# KiCad board Eclipse60.kicad_pcb (continued)
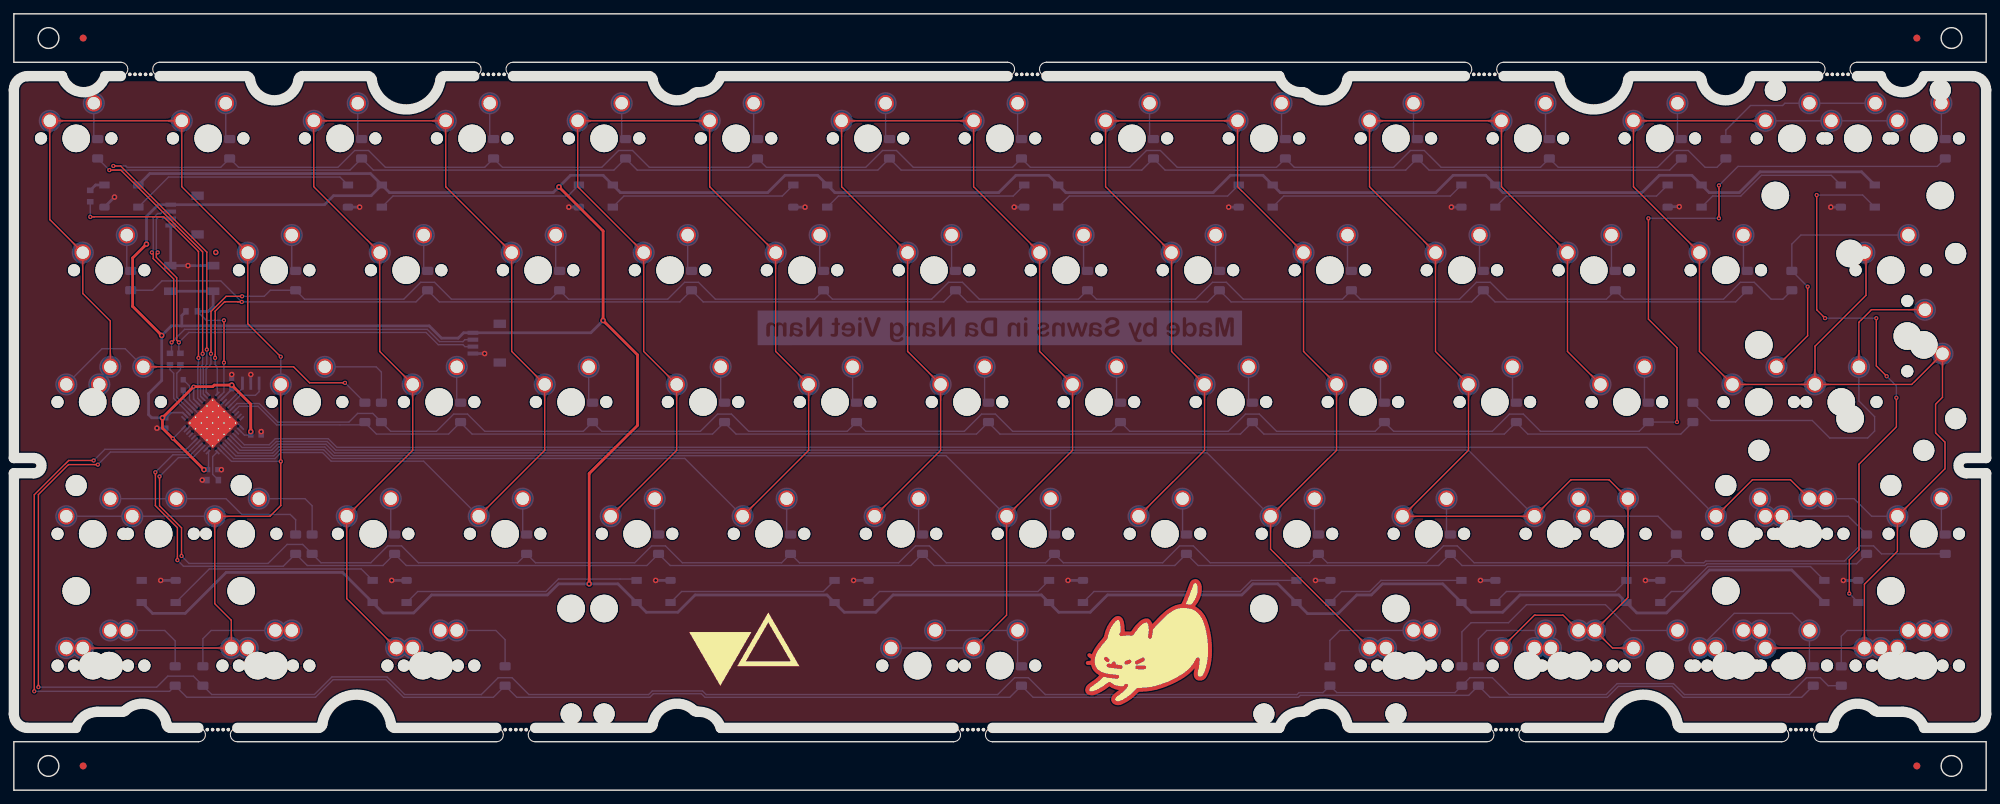
[diagram p0: board, top side]
## Copper pours and planes (outline as drawn; the poured copper is in the pictures) (continued)
GND on Bottom: 175.82,84.07 176.59,83.82 177.06,84.27 176.59,84.72 175.82,84.47
GND on Bottom: 207.97,84.07 208.74,83.82 209.21,84.27 208.74,84.72 207.97,84.47
GND on Bottom: 262.74,84.07 263.51,83.82 263.98,84.27 263.51,84.72 262.74,84.47
GND on Bottom: 49.21,84.47 48.44,84.72 47.97,84.27 48.44,83.82 49.21,84.07
GND on Bottom: 22.37,30.12 23.14,29.87 23.61,30.32 23.14,30.77 22.37,30.52
GND on Bottom: 93.8,30.12 94.58,29.87 95.04,30.32 94.58,30.77 93.8,30.52
GND on Bottom: 122.38,30.12 123.15,29.87 123.62,30.32 123.15,30.77 122.38,30.52
GND on Bottom: 153.34,30.12 154.11,29.87 154.58,30.32 154.11,30.77 153.34,30.52
GND on Bottom: 189.05,30.12 189.83,29.87 190.29,30.32 189.83,30.77 189.05,30.52
GND on Bottom: 212.87,30.12 213.64,29.87 214.11,30.32 213.64,30.77 212.87,30.52
GND on Bottom: 236.68,30.12 237.45,29.87 237.92,30.32 237.45,30.77 236.68,30.52
GND on Bottom: 265.25,30.12 266.03,29.87 266.49,30.32 266.03,30.77 265.25,30.52
GND on Bottom: 239.7,84.53 238.88,84.74 238.47,84.23 239,83.85 239.7,84.13
C0 on Top: 28.99,20.44 29.1,20.44 29.19,20.43 29.28,20.42 29.36,20.41 29.44,20.4 29.51,20.38 29.58,20.36 29.64,20.33 29.7,20.31 29.76,20.28 29.81,20.25 29.86,20.21 29.91,20.18 29.96,20.14 30.39,19.76 30.44,19.72 30.5,19.67 30.56,19.63 30.63,19.59 30.7,19.54 30.78,19.5 30.86,19.46 31.98,20.54 30.86,21.62 30.78,21.58 30.7,21.54 30.63,21.49 30.56,21.45 30.5,21.41 30.44,21.36 30.39,21.32 29.96,20.94 29.91,20.9 29.86,20.87 29.81,20.83 29.76,20.8 29.7,20.77 29.64,20.75 29.58,20.72 29.51,20.7 29.44,20.68 29.36,20.67 29.28,20.66 29.19,20.65 29.1,20.64 28.99,20.64
C0 on Top: 12.34,20.64 12.24,20.64 12.15,20.65 12.06,20.66 11.97,20.67 11.9,20.68 11.82,20.7 11.76,20.72 11.69,20.75 11.63,20.77 11.58,20.8 11.52,20.83 11.47,20.87 11.42,20.9 11.38,20.94 10.95,21.32 10.89,21.36 10.83,21.41 10.77,21.45 10.7,21.49 10.63,21.54 10.56,21.58 10.48,21.62 9.35,20.54 10.48,19.46 10.56,19.5 10.63,19.54 10.7,19.59 10.77,19.63 10.83,19.67 10.89,19.72 10.95,19.76 11.38,20.14 11.42,20.18 11.47,20.21 11.52,20.25 11.58,20.28 11.63,20.31 11.69,20.33 11.76,20.36 11.82,20.38 11.9,20.4 11.97,20.41 12.06,20.42 12.15,20.43 12.24,20.44 12.34,20.44
C0 on Top: 13.82,63.57 13.82,63.47 13.81,63.37 13.8,63.28 13.79,63.2 13.78,63.12 13.76,63.05 13.74,62.98 13.71,62.92 13.69,62.86 13.66,62.81 13.63,62.75 13.59,62.7 13.56,62.65 13.52,62.6 13.14,62.18 13.1,62.12 13.06,62.06 13.01,62 12.97,61.93 12.93,61.86 12.88,61.78 12.84,61.7 13.92,60.58 15,61.7 14.96,61.78 14.92,61.86 14.87,61.93 14.83,62 14.79,62.06 14.74,62.12 14.7,62.18 14.32,62.6 14.28,62.65 14.25,62.7 14.22,62.75 14.18,62.81 14.16,62.86 14.13,62.92 14.11,62.98 14.08,63.05 14.07,63.12 14.05,63.2 14.04,63.28 14.03,63.37 14.02,63.47 14.02,63.57
C0 on Top: 10.05,75.3 10.05,75.4 10.06,75.5 10.07,75.59 10.08,75.67 10.1,75.75 10.12,75.82 10.14,75.89 10.16,75.95 10.19,76.01 10.22,76.06 10.25,76.12 10.28,76.17 10.31,76.22 10.35,76.27 10.73,76.69 10.77,76.75 10.82,76.81 10.86,76.87 10.91,76.94 10.95,77.01 10.99,77.09 11.03,77.17 9.95,78.29 8.87,77.17 8.91,77.09 8.96,77.01 9,76.94 9.04,76.87 9.09,76.81 9.13,76.75 9.18,76.69 9.55,76.27 9.59,76.22 9.63,76.17 9.66,76.12 9.69,76.06 9.72,76.01 9.74,75.95 9.77,75.89 9.79,75.82 9.81,75.75 9.82,75.67 9.84,75.59 9.85,75.5 9.85,75.4 9.85,75.3
C0 on Top: 38.63,56.25 38.63,56.35 38.63,56.45 38.64,56.54 38.66,56.62 38.67,56.7 38.69,56.77 38.71,56.84 38.74,56.9 38.76,56.96 38.79,57.01 38.82,57.07 38.85,57.12 38.89,57.17 38.93,57.22 39.3,57.64 39.35,57.7 39.39,57.76 39.44,57.82 39.48,57.89 39.52,57.96 39.57,58.04 39.61,58.12 38.53,59.24 37.45,58.12 37.49,58.04 37.53,57.96 37.57,57.89 37.62,57.82 37.66,57.76 37.71,57.7 37.75,57.64 38.13,57.22 38.17,57.17 38.2,57.12 38.23,57.07 38.26,57.01 38.29,56.96 38.32,56.9 38.34,56.84 38.36,56.77 38.38,56.7 38.4,56.62 38.41,56.54 38.42,56.45 38.43,56.35 38.43,56.25
C0 on Top: 31.39,39.69 31.29,39.69 31.2,39.7 31.11,39.71 31.02,39.72 30.95,39.73 30.87,39.75 30.81,39.77 30.74,39.8 30.68,39.82 30.63,39.85 30.57,39.88 30.52,39.92 30.47,39.95 30.43,39.99 30,40.37 29.94,40.41 29.88,40.46 29.82,40.5 29.75,40.54 29.68,40.59 29.61,40.63 29.53,40.67 28.4,39.59 29.53,38.51 29.61,38.55 29.68,38.59 29.75,38.64 29.82,38.68 29.88,38.72 29.94,38.77 30,38.81 30.43,39.19 30.47,39.23 30.52,39.26 30.57,39.3 30.63,39.33 30.68,39.36 30.74,39.38 30.81,39.41 30.87,39.43 30.95,39.45 31.02,39.46 31.11,39.47 31.2,39.48 31.29,39.49 31.39,39.49
C0 on Top: 24.34,94.35 24.34,94.45 24.35,94.55 24.36,94.64 24.37,94.72 24.38,94.8 24.4,94.87 24.42,94.94 24.45,95 24.47,95.06 24.5,95.11 24.53,95.17 24.57,95.22 24.6,95.27 24.64,95.32 25.02,95.74 25.06,95.8 25.11,95.86 25.15,95.92 25.19,95.99 25.24,96.06 25.28,96.14 25.32,96.22 24.24,97.34 23.16,96.22 23.2,96.14 23.24,96.06 23.29,95.99 23.33,95.92 23.37,95.86 23.42,95.8 23.46,95.74 23.84,95.32 23.88,95.27 23.91,95.22 23.95,95.17 23.98,95.11 24.01,95.06 24.03,95 24.06,94.94 24.08,94.87 24.1,94.8 24.11,94.72 24.12,94.64 24.13,94.55 24.14,94.45 24.14,94.35
C0 on Top: 32,79.31 32.08,79.24 32.14,79.16 32.19,79.1 32.24,79.03 32.29,78.96 32.33,78.9 32.36,78.84 32.39,78.77 32.41,78.71 32.43,78.65 32.45,78.59 32.46,78.53 32.47,78.47 32.48,78.42 32.51,77.85 32.52,77.77 32.53,77.7 32.54,77.63 32.56,77.55 32.58,77.47 32.6,77.38 32.63,77.3 34.19,77.27 34.16,78.82 34.07,78.85 33.99,78.88 33.91,78.9 33.83,78.91 33.75,78.93 33.68,78.94 33.61,78.94 33.04,78.98 32.98,78.99 32.92,79 32.86,79.01 32.8,79.03 32.74,79.04 32.68,79.07 32.62,79.1 32.56,79.13 32.49,79.17 32.43,79.21 32.36,79.26 32.29,79.32 32.22,79.38 32.15,79.45
C0 on Top: 29.1,37.2 29.1,37.3 29.11,37.4 29.12,37.49 29.13,37.57 29.15,37.65 29.17,37.72 29.19,37.79 29.21,37.85 29.24,37.91 29.27,37.96 29.3,38.02 29.33,38.07 29.36,38.12 29.4,38.17 29.78,38.59 29.82,38.65 29.87,38.71 29.91,38.77 29.96,38.84 30,38.91 30.04,38.99 30.08,39.07 29,40.19 27.92,39.07 27.96,38.99 28.01,38.91 28.05,38.84 28.09,38.77 28.14,38.71 28.18,38.65 28.23,38.59 28.6,38.17 28.64,38.12 28.68,38.07 28.71,38.02 28.74,37.96 28.77,37.91 28.79,37.85 28.82,37.79 28.84,37.72 28.86,37.65 28.87,37.57 28.89,37.49 28.9,37.4 28.9,37.3 28.9,37.2
C0 on Top: 31.28,22.93 31.28,22.83 31.28,22.73 31.27,22.64 31.26,22.56 31.24,22.48 31.22,22.41 31.2,22.34 31.18,22.28 31.15,22.22 31.12,22.17 31.09,22.11 31.06,22.06 31.02,22.01 30.99,21.96 30.61,21.54 30.56,21.48 30.52,21.42 30.47,21.36 30.43,21.29 30.39,21.22 30.35,21.14 30.3,21.06 31.38,19.94 32.46,21.06 32.42,21.14 32.38,21.22 32.34,21.29 32.29,21.36 32.25,21.42 32.2,21.48 32.16,21.54 31.78,21.96 31.75,22.01 31.71,22.06 31.68,22.11 31.65,22.17 31.62,22.22 31.59,22.28 31.57,22.34 31.55,22.41 31.53,22.48 31.51,22.56 31.5,22.64 31.49,22.73 31.49,22.83 31.48,22.93
C0 on Top: 7.58,96.84 7.48,96.84 7.38,96.85 7.29,96.86 7.21,96.87 7.13,96.88 7.06,96.9 6.99,96.92 6.93,96.95 6.87,96.97 6.82,97 6.76,97.03 6.71,97.07 6.66,97.1 6.61,97.14 6.19,97.52 6.13,97.56 6.07,97.61 6.01,97.65 5.94,97.69 5.87,97.74 5.79,97.78 5.71,97.82 4.59,96.74 5.71,95.66 5.79,95.7 5.87,95.74 5.94,95.79 6.01,95.83 6.07,95.87 6.13,95.92 6.19,95.96 6.61,96.34 6.66,96.38 6.71,96.41 6.76,96.45 6.82,96.48 6.87,96.51 6.93,96.53 6.99,96.56 7.06,96.58 7.13,96.6 7.21,96.61 7.29,96.62 7.38,96.63 7.48,96.64 7.58,96.64
C0 on Top: 21.85,96.64 21.95,96.64 22.05,96.63 22.14,96.62 22.22,96.61 22.3,96.6 22.37,96.58 22.44,96.56 22.5,96.53 22.56,96.51 22.61,96.48 22.67,96.45 22.72,96.41 22.77,96.38 22.82,96.34 23.24,95.96 23.3,95.92 23.36,95.87 23.42,95.83 23.49,95.79 23.56,95.74 23.64,95.7 23.72,95.66 24.84,96.74 23.72,97.82 23.64,97.78 23.56,97.74 23.49,97.69 23.42,97.65 23.36,97.61 23.3,97.56 23.24,97.52 22.82,97.14 22.77,97.1 22.72,97.07 22.67,97.03 22.61,97 22.56,96.97 22.5,96.95 22.44,96.92 22.37,96.9 22.3,96.88 22.22,96.87 22.14,96.86 22.05,96.85 21.95,96.84 21.85,96.84
C0 on Top: 33.87,75.3 33.87,75.4 33.87,75.5 33.88,75.59 33.89,75.67 33.91,75.75 33.93,75.82 33.95,75.89 33.97,75.95 34,76.01 34.03,76.06 34.06,76.12 34.09,76.17 34.13,76.22 34.16,76.27 34.54,76.69 34.59,76.75 34.63,76.81 34.67,76.87 34.72,76.94 34.76,77.01 34.8,77.09 34.85,77.17 33.77,78.29 32.69,77.17 32.73,77.09 32.77,77.01 32.81,76.94 32.86,76.87 32.9,76.81 32.94,76.75 32.99,76.69 33.37,76.27 33.4,76.22 33.44,76.17 33.47,76.12 33.5,76.06 33.53,76.01 33.56,75.95 33.58,75.89 33.6,75.82 33.62,75.75 33.64,75.67 33.65,75.59 33.66,75.5 33.66,75.4 33.67,75.3
C0 on Top: 5.29,94.35 5.29,94.45 5.3,94.55 5.31,94.64 5.32,94.72 5.33,94.8 5.35,94.87 5.37,94.94 5.4,95 5.42,95.06 5.45,95.11 5.48,95.17 5.52,95.22 5.55,95.27 5.59,95.32 5.97,95.74 6.01,95.8 6.06,95.86 6.1,95.92 6.14,95.99 6.19,96.06 6.23,96.14 6.27,96.22 5.19,97.34 4.11,96.22 4.15,96.14 4.19,96.06 4.24,95.99 4.28,95.92 4.32,95.86 4.37,95.8 4.41,95.74 4.79,95.32 4.83,95.27 4.86,95.22 4.9,95.17 4.93,95.11 4.96,95.06 4.98,95 5.01,94.94 5.03,94.87 5.05,94.8 5.06,94.72 5.07,94.64 5.08,94.55 5.09,94.45 5.09,94.35
C0 on Top: 8.19,79.31 8.26,79.24 8.33,79.16 8.38,79.1 8.43,79.03 8.48,78.96 8.51,78.9 8.55,78.84 8.57,78.77 8.6,78.71 8.62,78.65 8.63,78.59 8.65,78.53 8.66,78.47 8.66,78.42 8.7,77.85 8.71,77.77 8.72,77.7 8.73,77.63 8.75,77.55 8.77,77.47 8.79,77.38 8.82,77.3 10.38,77.27 10.35,78.82 10.26,78.85 10.18,78.88 10.09,78.9 10.02,78.91 9.94,78.93 9.87,78.94 9.8,78.94 9.23,78.98 9.17,78.99 9.11,79 9.05,79.01 8.99,79.03 8.93,79.04 8.87,79.07 8.81,79.1 8.74,79.13 8.68,79.17 8.61,79.21 8.55,79.26 8.48,79.32 8.41,79.38 8.33,79.45
C0 on Bottom: 26.61,39.49 26.71,39.49 26.81,39.48 26.9,39.47 26.98,39.46 27.06,39.45 27.13,39.43 27.2,39.41 27.26,39.38 27.32,39.36 27.38,39.33 27.43,39.3 27.48,39.26 27.53,39.23 27.58,39.19 28.01,38.81 28.06,38.77 28.12,38.72 28.18,38.68 28.25,38.64 28.32,38.59 28.4,38.55 28.48,38.51 29.6,39.59 28.48,40.67 28.4,40.63 28.32,40.59 28.25,40.54 28.18,40.5 28.12,40.46 28.06,40.41 28.01,40.37 27.58,39.99 27.53,39.95 27.48,39.92 27.43,39.88 27.38,39.85 27.32,39.82 27.26,39.8 27.2,39.77 27.13,39.75 27.06,39.73 26.98,39.72 26.9,39.71 26.81,39.7 26.71,39.69 26.61,39.69
C0 on Bottom: 25.81,39.49 25.95,39.49 26.08,39.48 26.2,39.47 26.31,39.45 26.41,39.43 26.51,39.4 26.6,39.37 26.68,39.34 26.76,39.3 26.83,39.26 26.91,39.22 26.97,39.18 27.04,39.13 27.1,39.08 27.16,39.03 27.22,38.97 27.53,38.68 27.6,38.62 27.67,38.56 27.74,38.5 27.82,38.44 27.91,38.38 28,38.32 28.09,38.26 28.2,38.21 28.31,38.15 29.8,39.59 28.31,41.03 28.2,40.97 28.09,40.92 28,40.86 27.91,40.8 27.82,40.74 27.74,40.68 27.67,40.62 27.6,40.56 27.53,40.5 27.22,40.21 27.16,40.15 27.1,40.1 27.04,40.05 26.97,40 26.91,39.96 26.83,39.91 26.76,39.88 26.68,39.84 26.6,39.81 26.51,39.78 26.41,39.75 26.31,39.73 26.2,39.71 26.08,39.7 25.95,39.69 25.81,39.69
C0 on Bottom: 20.29,39.69 20.15,39.69 20.02,39.7 19.9,39.71 19.79,39.73 19.69,39.75 19.59,39.78 19.5,39.81 19.42,39.84 19.34,39.88 19.26,39.91 19.19,39.96 19.13,40 19.06,40.05 19,40.1 18.94,40.15 18.88,40.21 18.57,40.5 18.5,40.56 18.43,40.62 18.35,40.68 18.28,40.74 18.19,40.8 18.1,40.86 18.01,40.92 17.9,40.97 17.79,41.03 16.3,39.59 17.79,38.15 17.9,38.21 18.01,38.26 18.1,38.32 18.19,38.38 18.28,38.44 18.35,38.5 18.43,38.56 18.5,38.62 18.57,38.68 18.88,38.97 18.94,39.03 19,39.08 19.06,39.13 19.13,39.18 19.19,39.22 19.26,39.26 19.34,39.3 19.42,39.34 19.5,39.37 19.59,39.4 19.69,39.43 19.79,39.45 19.9,39.47 20.02,39.48 20.15,39.49 20.29,39.49
C0 on Bottom: 19.49,39.69 19.38,39.69 19.29,39.7 19.2,39.71 19.12,39.72 19.04,39.73 18.97,39.75 18.9,39.77 18.84,39.8 18.78,39.82 18.72,39.85 18.67,39.88 18.62,39.92 18.57,39.95 18.52,39.99 18.09,40.37 18.04,40.41 17.98,40.46 17.92,40.5 17.85,40.54 17.78,40.59 17.7,40.63 17.62,40.67 16.5,39.59 17.62,38.51 17.7,38.55 17.78,38.59 17.85,38.64 17.92,38.68 17.98,38.72 18.04,38.77 18.09,38.81 18.52,39.19 18.57,39.23 18.62,39.26 18.67,39.3 18.72,39.33 18.78,39.36 18.84,39.38 18.9,39.41 18.97,39.43 19.04,39.45 19.12,39.46 19.2,39.47 19.29,39.48 19.38,39.49 19.49,39.49
C0 on Bottom: 9.96,39.69 9.86,39.69 9.76,39.7 9.68,39.71 9.59,39.72 9.52,39.73 9.44,39.75 9.38,39.77 9.31,39.8 9.25,39.82 9.2,39.85 9.14,39.88 9.09,39.92 9.04,39.95 9,39.99 8.57,40.37 8.51,40.41 8.45,40.46 8.39,40.5 8.32,40.54 8.25,40.59 8.18,40.63 8.09,40.67 6.97,39.59 8.09,38.51 8.18,38.55 8.25,38.59 8.32,38.64 8.39,38.68 8.45,38.72 8.51,38.77 8.57,38.81 9,39.19 9.04,39.23 9.09,39.26 9.14,39.3 9.2,39.33 9.25,39.36 9.31,39.38 9.38,39.41 9.44,39.43 9.52,39.45 9.59,39.46 9.68,39.47 9.76,39.48 9.86,39.49 9.96,39.49
C0 on Bottom: 10.76,39.69 10.62,39.69 10.5,39.7 10.38,39.71 10.27,39.73 10.16,39.75 10.07,39.78 9.98,39.81 9.89,39.84 9.81,39.88 9.74,39.91 9.67,39.96 9.6,40 9.54,40.05 9.47,40.1 9.41,40.15 9.35,40.21 9.04,40.5 8.97,40.56 8.9,40.62 8.83,40.68 8.75,40.74 8.67,40.8 8.58,40.86 8.48,40.92 8.38,40.97 8.27,41.03 6.77,39.59 8.27,38.15 8.38,38.21 8.48,38.26 8.58,38.32 8.67,38.38 8.75,38.44 8.83,38.5 8.9,38.56 8.97,38.62 9.04,38.68 9.35,38.97 9.41,39.03 9.47,39.08 9.54,39.13 9.6,39.18 9.67,39.22 9.74,39.26 9.81,39.3 9.89,39.34 9.98,39.37 10.07,39.4 10.16,39.43 10.27,39.45 10.38,39.47 10.5,39.48 10.62,39.49 10.76,39.49
C0 on Bottom: 13.91,39.49 14.04,39.49 14.17,39.48 14.29,39.47 14.4,39.45 14.5,39.43 14.6,39.4 14.69,39.37 14.77,39.34 14.85,39.3 14.93,39.26 15,39.22 15.07,39.18 15.13,39.13 15.2,39.08 15.26,39.03 15.32,38.97 15.63,38.68 15.69,38.62 15.76,38.56 15.84,38.5 15.92,38.44 16,38.38 16.09,38.32 16.19,38.26 16.29,38.21 16.4,38.15 17.9,39.59 16.4,41.03 16.29,40.97 16.19,40.92 16.09,40.86 16,40.8 15.92,40.74 15.84,40.68 15.76,40.62 15.69,40.56 15.63,40.5 15.32,40.21 15.26,40.15 15.2,40.1 15.13,40.05 15.07,40 15,39.96 14.93,39.91 14.85,39.88 14.77,39.84 14.69,39.81 14.6,39.78 14.5,39.75 14.4,39.73 14.29,39.71 14.17,39.7 14.04,39.69 13.91,39.69
C0 on Bottom: 14.71,39.49 14.81,39.49 14.9,39.48 14.99,39.47 15.07,39.46 15.15,39.45 15.22,39.43 15.29,39.41 15.36,39.38 15.41,39.36 15.47,39.33 15.52,39.3 15.58,39.26 15.62,39.23 15.67,39.19 16.1,38.81 16.16,38.77 16.21,38.72 16.28,38.68 16.34,38.64 16.42,38.59 16.49,38.55 16.57,38.51 17.7,39.59 16.57,40.67 16.49,40.63 16.42,40.59 16.34,40.54 16.28,40.5 16.21,40.46 16.16,40.41 16.1,40.37 15.67,39.99 15.62,39.95 15.58,39.92 15.52,39.88 15.47,39.85 15.41,39.82 15.36,39.8 15.29,39.77 15.22,39.75 15.15,39.73 15.07,39.72 14.99,39.71 14.9,39.7 14.81,39.69 14.71,39.69
C0 on Bottom: 38.43,61.03 38.43,60.93 38.42,60.83 38.41,60.74 38.4,60.66 38.38,60.58 38.36,60.51 38.34,60.44 38.32,60.38 38.29,60.32 38.26,60.27 38.23,60.21 38.2,60.16 38.17,60.11 38.13,60.06 37.75,59.64 37.71,59.58 37.66,59.52 37.62,59.46 37.57,59.39 37.53,59.32 37.49,59.24 37.45,59.16 38.53,58.04 39.61,59.16 39.57,59.24 39.52,59.32 39.48,59.39 39.44,59.46 39.39,59.52 39.35,59.58 39.3,59.64 38.93,60.06 38.89,60.11 38.85,60.16 38.82,60.21 38.79,60.27 38.76,60.32 38.74,60.38 38.71,60.44 38.69,60.51 38.67,60.58 38.66,60.66 38.64,60.74 38.63,60.83 38.63,60.93 38.63,61.03
C0 on Bottom: 38.43,61.83 38.42,61.69 38.42,61.57 38.4,61.45 38.39,61.34 38.37,61.23 38.34,61.14 38.31,61.05 38.28,60.96 38.24,60.88 38.2,60.81 38.16,60.74 38.11,60.67 38.07,60.6 38.02,60.54 37.96,60.48 37.91,60.42 37.62,60.11 37.56,60.04 37.5,59.97 37.44,59.9 37.38,59.82 37.32,59.73 37.26,59.65 37.2,59.55 37.14,59.45 37.09,59.34 38.53,57.84 39.97,59.34 39.91,59.45 39.85,59.55 39.8,59.65 39.74,59.73 39.68,59.82 39.62,59.9 39.56,59.97 39.5,60.04 39.44,60.11 39.14,60.42 39.09,60.48 39.04,60.54 38.99,60.6 38.94,60.67 38.9,60.74 38.85,60.81 38.81,60.88 38.78,60.96 38.74,61.05 38.71,61.14 38.69,61.23 38.67,61.34 38.65,61.45 38.64,61.57 38.63,61.69 38.63,61.83
C1 on Top: 48.15,37.2 48.15,37.3 48.16,37.4 48.17,37.49 48.18,37.57 48.2,37.65 48.22,37.72 48.24,37.79 48.26,37.85 48.29,37.91 48.32,37.96 48.35,38.02 48.38,38.07 48.41,38.12 48.45,38.17 48.83,38.59 48.87,38.65 48.92,38.71 48.96,38.77 49.01,38.84 49.05,38.91 49.09,38.99 49.13,39.07 48.05,40.19 46.97,39.07 47.01,38.99 47.06,38.91 47.1,38.84 47.14,38.77 47.19,38.71 47.23,38.65 47.28,38.59 47.65,38.17 47.69,38.12 47.73,38.07 47.76,38.02 47.79,37.96 47.82,37.91 47.84,37.85 47.87,37.79 47.89,37.72 47.91,37.65 47.92,37.57 47.94,37.49 47.95,37.4 47.95,37.3 47.95,37.2
C1 on Top: 53.44,22.16 53.51,22.09 53.57,22.01 53.63,21.95 53.68,21.88 53.72,21.81 53.76,21.75 53.79,21.69 53.82,21.62 53.84,21.56 53.86,21.5 53.88,21.44 53.89,21.38 53.9,21.32 53.91,21.27 53.94,20.7 53.95,20.62 53.96,20.55 53.97,20.48 53.99,20.4 54.01,20.32 54.03,20.23 54.06,20.15 55.62,20.12 55.59,21.67 55.5,21.7 55.42,21.73 55.34,21.75 55.26,21.76 55.18,21.78 55.11,21.79 55.04,21.79 54.47,21.83 54.41,21.84 54.35,21.85 54.29,21.86 54.23,21.88 54.17,21.89 54.11,21.92 54.05,21.95 53.99,21.98 53.92,22.02 53.86,22.06 53.79,22.11 53.72,22.17 53.65,22.23 53.58,22.3
C1 on Top: 57.68,56.25 57.68,56.35 57.68,56.45 57.69,56.54 57.71,56.62 57.72,56.7 57.74,56.77 57.76,56.84 57.79,56.9 57.81,56.96 57.84,57.01 57.87,57.07 57.9,57.12 57.94,57.17 57.98,57.22 58.35,57.64 58.4,57.7 58.44,57.76 58.49,57.82 58.53,57.89 58.57,57.96 58.62,58.04 58.66,58.12 57.58,59.24 56.5,58.12 56.54,58.04 56.58,57.96 56.62,57.89 56.67,57.82 56.71,57.76 56.76,57.7 56.8,57.64 57.18,57.22 57.22,57.17 57.25,57.12 57.28,57.07 57.31,57.01 57.34,56.96 57.37,56.9 57.39,56.84 57.41,56.77 57.43,56.7 57.45,56.62 57.46,56.54 57.47,56.45 57.48,56.35 57.48,56.25
C1 on Top: 49.67,41.35 49.6,41.28 49.53,41.22 49.46,41.16 49.39,41.11 49.33,41.07 49.26,41.03 49.2,41 49.14,40.97 49.08,40.94 49.02,40.93 48.96,40.91 48.9,40.9 48.84,40.89 48.78,40.88 48.21,40.84 48.14,40.84 48.06,40.83 47.99,40.81 47.91,40.8 47.83,40.78 47.75,40.75 47.66,40.72 47.63,39.17 49.19,39.2 49.21,39.28 49.24,39.37 49.26,39.45 49.27,39.53 49.29,39.6 49.3,39.67 49.31,39.75 49.34,40.32 49.35,40.37 49.36,40.43 49.37,40.49 49.39,40.55 49.41,40.61 49.43,40.67 49.46,40.74 49.49,40.8 49.53,40.86 49.57,40.93 49.62,41 49.68,41.06 49.74,41.14 49.81,41.21
C1 on Top: 76.73,56.25 76.73,56.35 76.73,56.45 76.74,56.54 76.76,56.62 76.77,56.7 76.79,56.77 76.81,56.84 76.84,56.9 76.86,56.96 76.89,57.01 76.92,57.07 76.95,57.12 76.99,57.17 77.03,57.22 77.4,57.64 77.45,57.7 77.49,57.76 77.54,57.82 77.58,57.89 77.62,57.96 77.67,58.04 77.71,58.12 76.63,59.24 75.55,58.12 75.59,58.04 75.63,57.96 75.67,57.89 75.72,57.82 75.76,57.76 75.81,57.7 75.85,57.64 76.23,57.22 76.27,57.17 76.3,57.12 76.33,57.07 76.36,57.01 76.39,56.96 76.42,56.9 76.44,56.84 76.46,56.77 76.48,56.7 76.5,56.62 76.51,56.54 76.52,56.45 76.53,56.35 76.53,56.25
C1 on Top: 68.72,41.35 68.65,41.28 68.58,41.22 68.51,41.16 68.44,41.11 68.38,41.07 68.31,41.03 68.25,41 68.19,40.97 68.13,40.94 68.07,40.93 68.01,40.91 67.95,40.9 67.89,40.89 67.83,40.88 67.26,40.84 67.19,40.84 67.11,40.83 67.04,40.81 66.96,40.8 66.88,40.78 66.8,40.75 66.71,40.72 66.68,39.17 68.24,39.2 68.26,39.28 68.29,39.37 68.31,39.45 68.32,39.53 68.34,39.6 68.35,39.67 68.36,39.75 68.39,40.32 68.4,40.37 68.41,40.43 68.42,40.49 68.44,40.55 68.46,40.61 68.48,40.67 68.51,40.74 68.54,40.8 68.58,40.86 68.62,40.93 68.67,41 68.73,41.06 68.79,41.14 68.86,41.21
C1 on Top: 43.39,94.35 43.39,94.45 43.4,94.55 43.41,94.64 43.42,94.72 43.43,94.8 43.45,94.87 43.47,94.94 43.5,95 43.52,95.06 43.55,95.11 43.58,95.17 43.62,95.22 43.65,95.27 43.69,95.32 44.07,95.74 44.11,95.8 44.16,95.86 44.2,95.92 44.24,95.99 44.29,96.06 44.33,96.14 44.37,96.22 43.29,97.34 42.21,96.22 42.25,96.14 42.29,96.06 42.34,95.99 42.38,95.92 42.42,95.86 42.47,95.8 42.51,95.74 42.89,95.32 42.93,95.27 42.96,95.22 43,95.17 43.03,95.11 43.06,95.06 43.08,95 43.11,94.94 43.13,94.87 43.15,94.8 43.16,94.72 43.17,94.64 43.18,94.55 43.19,94.45 43.19,94.35
C1 on Top: 51.05,79.31 51.13,79.24 51.19,79.16 51.24,79.1 51.29,79.03 51.34,78.96 51.38,78.9 51.41,78.84 51.44,78.77 51.46,78.71 51.48,78.65 51.5,78.59 51.51,78.53 51.52,78.47 51.53,78.42 51.56,77.85 51.57,77.77 51.58,77.7 51.59,77.63 51.61,77.55 51.63,77.47 51.65,77.38 51.68,77.3 53.24,77.27 53.21,78.82 53.12,78.85 53.04,78.88 52.96,78.9 52.88,78.91 52.8,78.93 52.73,78.94 52.66,78.94 52.09,78.98 52.03,78.99 51.97,79 51.91,79.01 51.85,79.03 51.79,79.04 51.73,79.07 51.67,79.1 51.61,79.13 51.54,79.17 51.48,79.21 51.41,79.26 51.34,79.32 51.27,79.38 51.2,79.45
C1 on Top: 52.92,75.3 52.92,75.4 52.92,75.5 52.93,75.59 52.94,75.67 52.96,75.75 52.98,75.82 53,75.89 53.02,75.95 53.05,76.01 53.08,76.06 53.11,76.12 53.14,76.17 53.18,76.22 53.21,76.27 53.59,76.69 53.64,76.75 53.68,76.81 53.72,76.87 53.77,76.94 53.81,77.01 53.85,77.09 53.9,77.17 52.82,78.29 51.74,77.17 51.78,77.09 51.82,77.01 51.86,76.94 51.91,76.87 51.95,76.81 51.99,76.75 52.04,76.69 52.42,76.27 52.45,76.22 52.49,76.17 52.52,76.12 52.55,76.06 52.58,76.01 52.61,75.95 52.63,75.89 52.65,75.82 52.67,75.75 52.69,75.67 52.7,75.59 52.71,75.5 52.71,75.4 52.72,75.3
C1 on Top: 55.82,60.26 55.89,60.19 55.95,60.11 56.01,60.05 56.06,59.98 56.1,59.91 56.14,59.85 56.17,59.79 56.2,59.72 56.22,59.66 56.24,59.6 56.26,59.54 56.27,59.48 56.28,59.42 56.29,59.37 56.32,58.8 56.33,58.72 56.34,58.65 56.36,58.58 56.37,58.5 56.39,58.42 56.42,58.33 56.44,58.25 58,58.22 57.97,59.77 57.88,59.8 57.8,59.83 57.72,59.85 57.64,59.86 57.57,59.88 57.49,59.89 57.42,59.89 56.85,59.93 56.79,59.94 56.73,59.95 56.67,59.96 56.61,59.98 56.55,59.99 56.49,60.02 56.43,60.05 56.37,60.08 56.3,60.12 56.24,60.16 56.17,60.21 56.1,60.27 56.03,60.33 55.96,60.4
C1 on Top: 71.97,75.3 71.97,75.4 71.97,75.5 71.98,75.59 71.99,75.67 72.01,75.75 72.03,75.82 72.05,75.89 72.07,75.95 72.1,76.01 72.13,76.06 72.16,76.12 72.19,76.17 72.23,76.22 72.26,76.27 72.64,76.69 72.69,76.75 72.73,76.81 72.77,76.87 72.82,76.94 72.86,77.01 72.9,77.09 72.95,77.17 71.87,78.29 70.79,77.17 70.83,77.09 70.87,77.01 70.91,76.94 70.96,76.87 71,76.81 71.04,76.75 71.09,76.69 71.47,76.27 71.5,76.22 71.54,76.17 71.57,76.12 71.6,76.06 71.63,76.01 71.66,75.95 71.68,75.89 71.7,75.82 71.72,75.75 71.74,75.67 71.75,75.59 71.76,75.5 71.76,75.4 71.77,75.3
C1 on Top: 74.87,60.26 74.94,60.19 75,60.11 75.06,60.05 75.11,59.98 75.15,59.91 75.19,59.85 75.22,59.79 75.25,59.72 75.27,59.66 75.29,59.6 75.31,59.54 75.32,59.48 75.33,59.42 75.34,59.37 75.37,58.8 75.38,58.72 75.39,58.65 75.41,58.58 75.42,58.5 75.44,58.42 75.47,58.33 75.49,58.25 77.05,58.22 77.02,59.77 76.93,59.8 76.85,59.83 76.77,59.85 76.69,59.86 76.62,59.88 76.54,59.89 76.47,59.89 75.9,59.93 75.84,59.94 75.78,59.95 75.72,59.96 75.66,59.98 75.6,59.99 75.54,60.02 75.48,60.05 75.42,60.08 75.35,60.12 75.29,60.16 75.22,60.21 75.15,60.27 75.08,60.33 75.01,60.4
C1 on Top: 62.44,94.35 62.44,94.45 62.45,94.55 62.46,94.64 62.47,94.72 62.48,94.8 62.5,94.87 62.52,94.94 62.55,95 62.57,95.06 62.6,95.11 62.63,95.17 62.67,95.22 62.7,95.27 62.74,95.32 63.12,95.74 63.16,95.8 63.21,95.86 63.25,95.92 63.29,95.99 63.34,96.06 63.38,96.14 63.42,96.22 62.34,97.34 61.26,96.22 61.3,96.14 61.34,96.06 61.39,95.99 61.43,95.92 61.47,95.86 61.52,95.8 61.56,95.74 61.94,95.32 61.98,95.27 62.01,95.22 62.05,95.17 62.08,95.11 62.11,95.06 62.13,95 62.16,94.94 62.18,94.87 62.2,94.8 62.21,94.72 62.22,94.64 62.23,94.55 62.24,94.45 62.24,94.35
C1 on Top: 70.1,79.31 70.18,79.24 70.24,79.16 70.29,79.1 70.34,79.03 70.39,78.96 70.43,78.9 70.46,78.84 70.49,78.77 70.51,78.71 70.53,78.65 70.55,78.59 70.56,78.53 70.57,78.47 70.58,78.42 70.61,77.85 70.62,77.77 70.63,77.7 70.64,77.63 70.66,77.55 70.68,77.47 70.7,77.38 70.73,77.3 72.29,77.27 72.26,78.82 72.17,78.85 72.09,78.88 72.01,78.9 71.93,78.91 71.85,78.93 71.78,78.94 71.71,78.94 71.14,78.98 71.08,78.99 71.02,79 70.96,79.01 70.9,79.03 70.84,79.04 70.78,79.07 70.72,79.1 70.66,79.13 70.59,79.17 70.53,79.21 70.46,79.26 70.39,79.32 70.32,79.38 70.25,79.45